# Altium PCB PCB.PcbDoc (part 3 of 4) (continued)
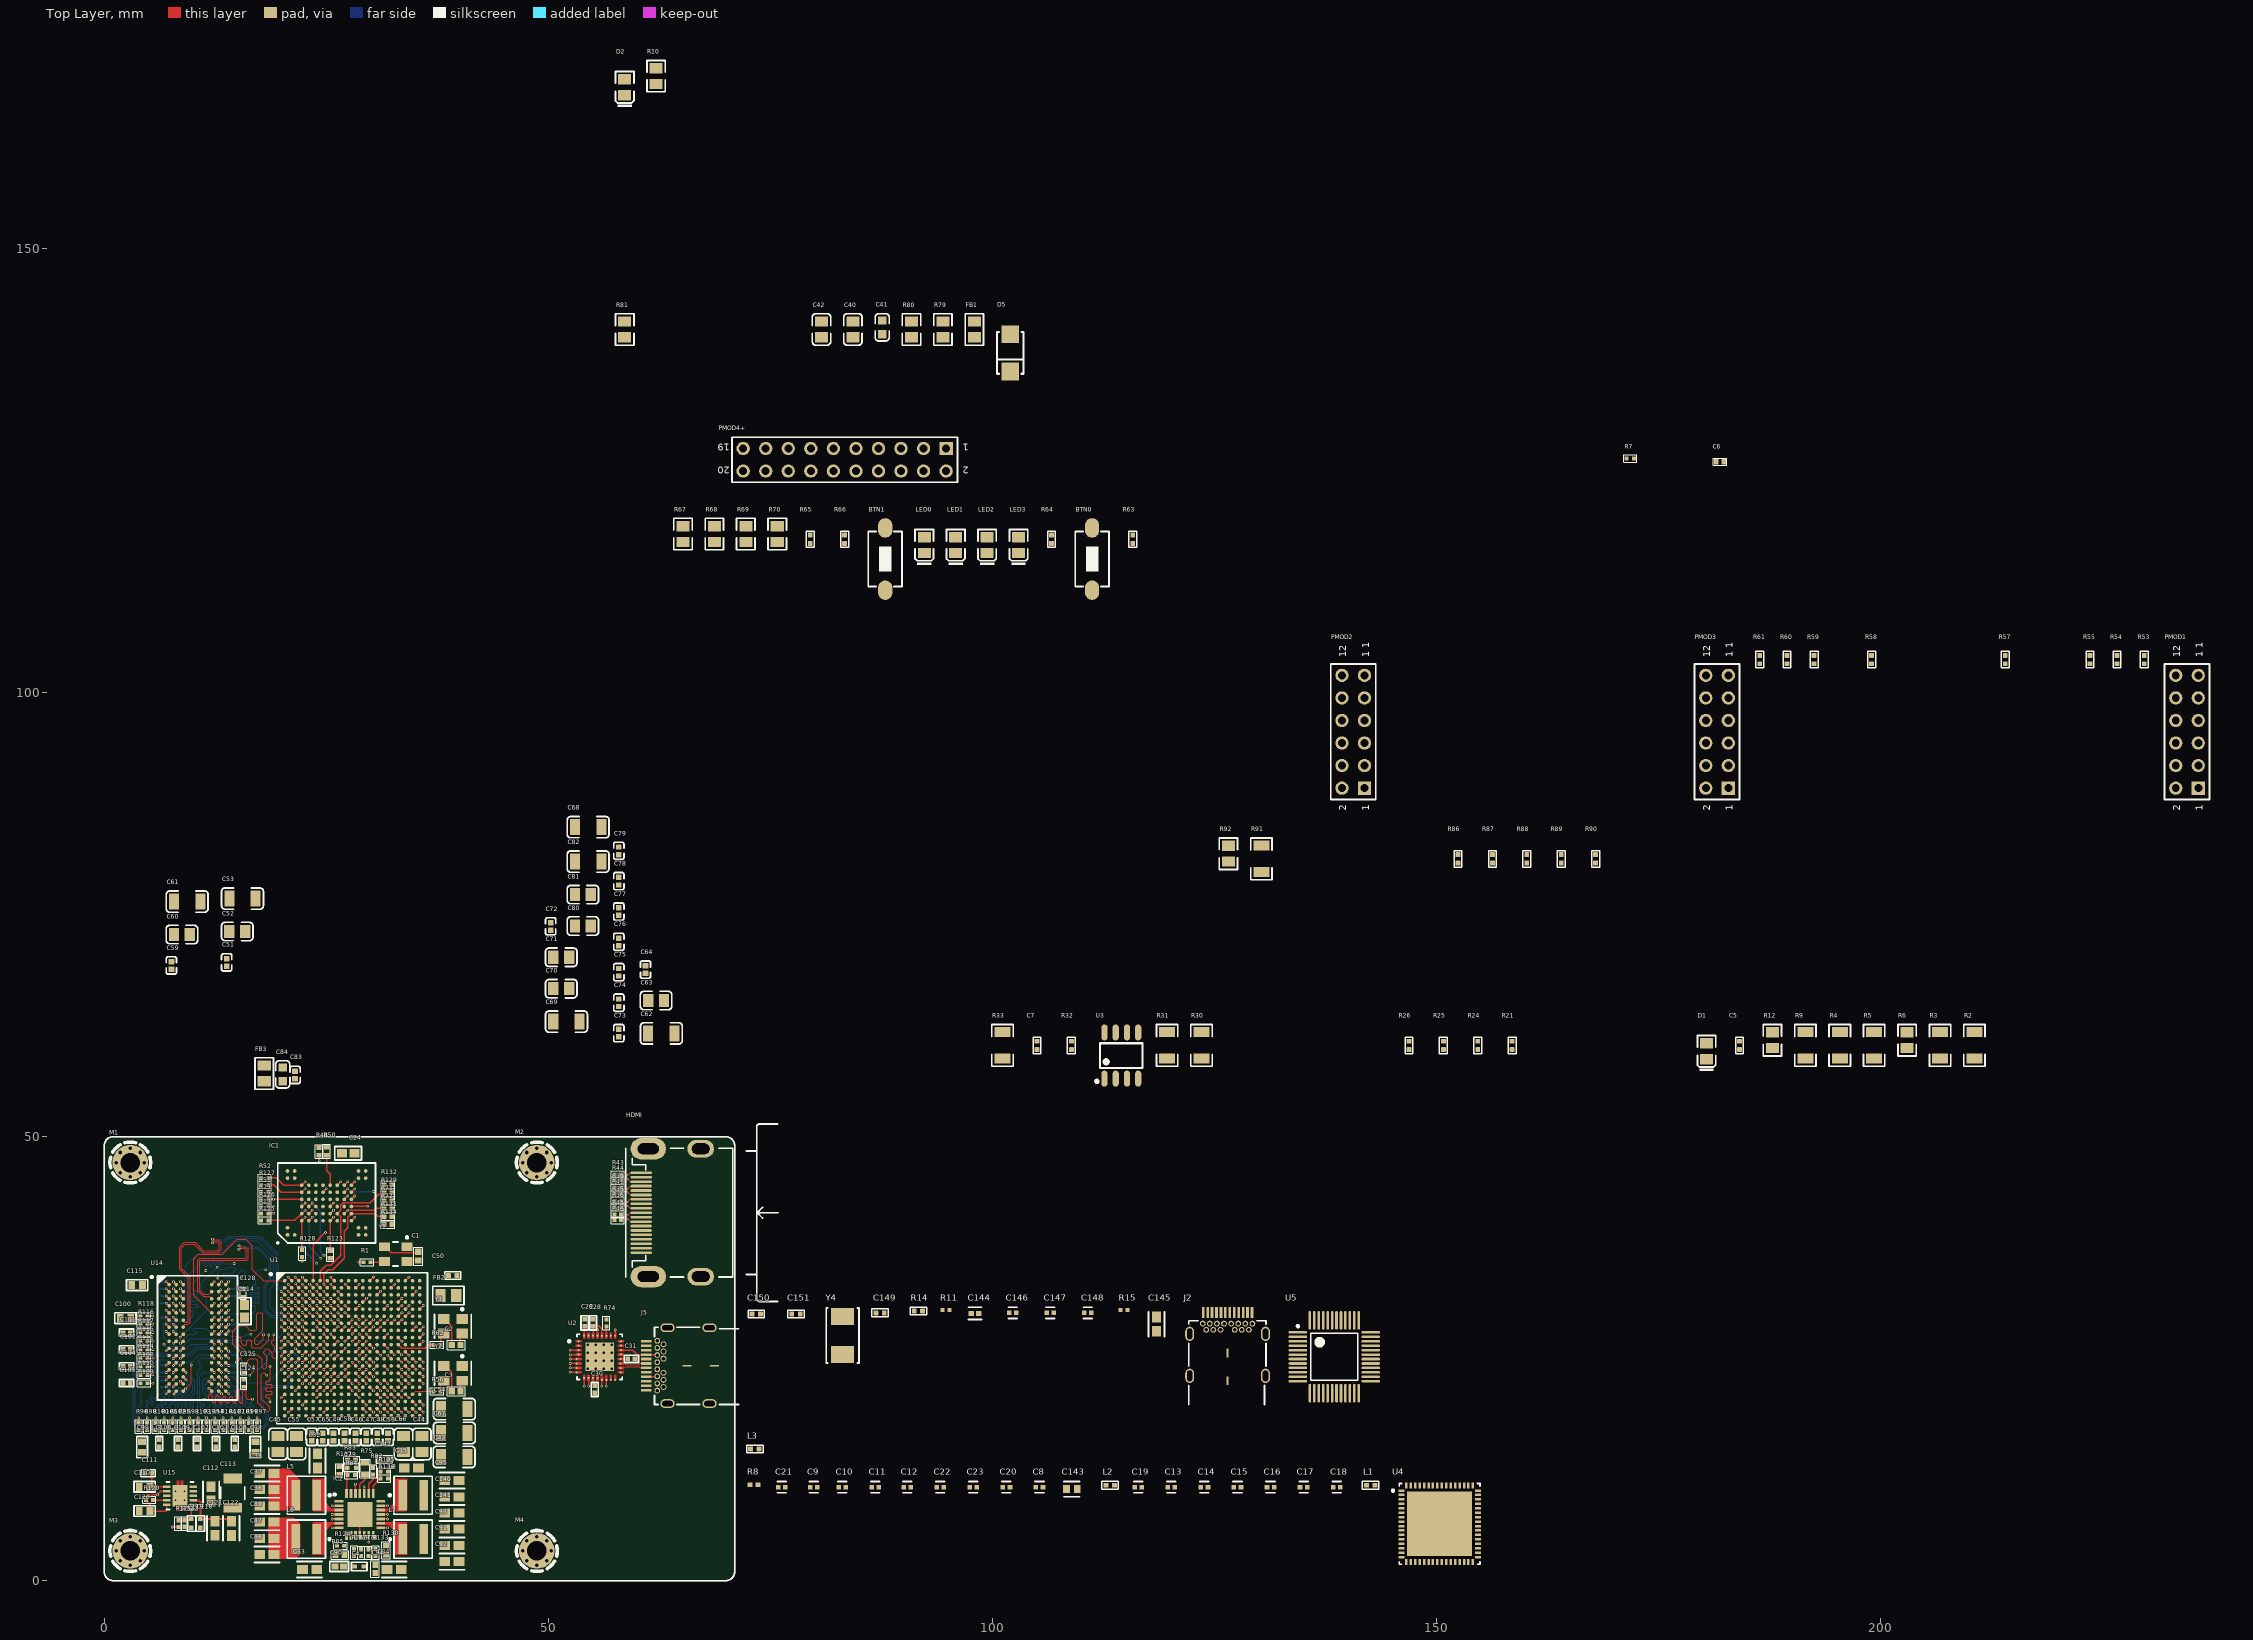
[diagram p0: Top Layer view]
## Nets (pads, with @x,y where several pads share a name; then routed paths per layer and width w, separated by ;. In a path a pad name is that pad's centre, name@x,y a point inside that pad or via, vN(x,y) a via of type N, cw(c..) or ccw(c..) an arc to the next point about the centre after c; other vN are vias at no path point) (continued)
  Top Layer w0.237: v1(8.59,30.458) U14.E3@8.898,30.15
  Int3 (Sign) w0.127: v1(14.63,35.71) 14.97,35.37 16.02,35.37 17.964,33.426 20.144,33.426 20.544,33.026 20.94,33.026 21.247,32.719 21.264,32.719 21.46,32.523 v1(21.485,32.523)
  Bottom Layer w0.127: v1(8.59,30.458) 9.43,31.298 9.43,34.33 10.81,35.71 10.899,35.71 10.963,35.71 ccw(c10.963,35.837) 11.09,35.837 11.09,35.94 cw(c11.217,35.94) 11.344,35.94 11.344,35.501 ccw(c11.471,35.501) 11.598,35.501 11.598,35.94 cw(c11.725,35.94) 11.852,35.94 11.852,35.501 ccw(c11.979,35.501) 12.106,35.501 12.106,35.94 cw(c12.233,35.94) 12.36,35.94 12.36,35.731 ccw(c12.487,35.731) 12.614,35.731 12.614,35.921 cw(c12.741,35.921) 12.868,35.921 12.868,35.731 ccw(c12.995,35.731) 13.122,35.731 13.122,35.837 cw(c13.249,35.837) 13.376,35.837 ccw(c13.503,35.837) 13.503,35.71 14.18,35.71 v1(14.63,35.71)
DDR-0-DQ1: U1.B3 U14.F7 | length 23.2
  Top Layer w0.15: v1(21.574,33.434) 21.603,33.405 21.603,33.297 U1.B3@21.92,32.98
  Top Layer w0.237: U14.F7@12.098,29.35 v1(12.407,29.658)
  Int3 (Sign) w0.127: v1(14.428,29.331) 14.428,30.483 14.428,30.801 cw(c14.555,30.801) 14.555,30.928 14.725,30.928 ccw(c14.725,31.055) 14.725,31.182 14.447,31.182 cw(c14.447,31.309) 14.447,31.436 14.725,31.436 ccw(c14.725,31.563) 14.725,31.69 14.447,31.69 cw(c14.447,31.817) 14.447,31.944 14.725,31.944 ccw(c14.725,32.071) 14.725,32.198 14.438,32.198 cw(c14.438,32.325) 14.438,32.452 14.709,32.452 ccw(c14.709,32.579) 14.709,32.706 14.555,32.706 cw(c14.555,32.833) 14.428,32.833 14.428,33.107 14.428,33.188 14.88,33.64 15.47,33.64 17.7,31.41 20.95,31.41 21.11,31.25 21.11,30.89 21.44,30.561 21.661,30.561 21.874,30.774 21.874,31.063 22.247,31.436 22.447,31.436 22.654,31.643 22.654,32.726 22.44,32.94 22.069,32.94 v1(21.574,33.434)
  Bottom Layer w0.127: v1(12.407,29.658) 12.412,29.658 12.77,29.3 14.16,29.3 14.18,29.319 14.417,29.319 v1(14.428,29.331)
DDR-0-DQ2: U1.A2 U14.F2 | length 24.3
  Top Layer w0.15: v1(20.72,34.18) U1.A2@21.12,33.78
  Top Layer w0.237: v1(7.79,29.658) U14.F2@8.098,29.35
  Int3 (Sign) w0.127: v1(7.79,29.658) 7.343,30.105 7.343,34.633 7.389,34.679 7.606,34.896 cw(c7.696,34.806) 7.822,34.818 7.833,34.695 ccw(c7.96,34.706) 7.971,34.579 ccw(c7.96,34.706) 8.086,34.717 8.05,35.133 cw(c8.176,35.145) 8.165,35.271 cw(c8.176,35.145) 8.303,35.156 8.325,34.902 ccw(c8.452,34.913) 8.463,34.786 ccw(c8.452,34.913) 8.578,34.924 8.556,35.178 cw(c8.682,35.189) 8.671,35.316 cw(c8.682,35.189) 8.809,35.201 8.834,34.914 ccw(c8.96,34.925) 8.972,34.798 ccw(c8.96,34.925) 9.087,34.936 9.062,35.223 cw(c9.188,35.234) 9.177,35.361 cw(c9.188,35.234) 9.315,35.245 9.322,35.166 ccw(c9.448,35.177) 9.448,35.05 9.873,35.05 10.45,35.05 11.24,35.84 13.826,35.84 14.356,36.37 16.04,36.37 18.29,34.12 18.95,34.12 19.47,34.64 20.26,34.64 v1(20.72,34.18)
DDR-0-DQ3: U1.A4 U14.F8 | length 23.2
  Top Layer w0.15: v1(22.32,34.18) U1.A4@22.72,33.78
  Top Layer w0.237: U14.F8@12.898,29.35 12.898,29.356 13.207,29.664 v1(13.207,29.67)
  Int3 (Sign) w0.127: v1(18.19,35.03) 21.47,35.03 v1(22.32,34.18)
  Bottom Layer w0.127: v1(13.207,29.67) 13.577,30.04 16.6,30.04 17.04,30.48 17.04,30.788 17.04,30.851 ccw(c16.913,30.851) 16.913,30.978 16.55,30.978 cw(c16.55,31.105) 16.55,31.232 17.341,31.232 ccw(c17.341,31.359) 17.341,31.486 16.55,31.486 cw(c16.55,31.613) 16.55,31.74 17.341,31.74 ccw(c17.341,31.867) 17.341,31.994 16.55,31.994 cw(c16.55,32.121) 16.55,32.248 17.341,32.248 ccw(c17.341,32.375) 17.341,32.502 16.55,32.502 cw(c16.55,32.629) 16.55,32.756 17.341,32.756 ccw(c17.341,32.883) 17.341,33.01 16.773,33.01 cw(c16.773,33.137) 16.773,33.264 16.913,33.264 ccw(c16.913,33.391) 17.04,33.391 17.04,34.19 17.04,34.61 17.46,35.03 v1(18.19,35.03)
DDR-0-DQ4: U1.D3 U14.H3 | length 23.2
  Top Layer w0.15: v1(21.52,31.78) U1.D3@21.92,31.38
  Top Layer w0.237: v1(8.554,27.429) 8.565,27.429 8.887,27.75 U14.H3@8.898,27.75
  Int3 (Sign) w0.127: v1(12.74,35.29) 13.71,35.29 14.484,36.063 14.92,36.063 15.254,35.73 16.13,35.73 18.1,33.76 20.98,33.76 21.12,33.62 21.12,33.389 21.874,32.635 21.874,32.133 v1(21.52,31.78)
  Bottom Layer w0.127: v1(8.554,27.429) 8.988,27.863 11.56,30.435 11.56,31.73 10.92,32.37 10.92,33.47 v1(12.74,35.29)
DDR-0-DQ5: U1.D1 U14.H8 | length 23.2
  Top Layer w0.15: v1(19.92,31.78) U1.D1@20.32,31.38
  Top Layer w0.237: U14.H8@12.898,27.75 12.898,27.764 13.207,28.072 v1(13.207,28.087)
  Int3 (Sign) w0.127: v1(12.78,34.08) 12.78,33.23 12.854,33.156 12.96,33.156 13.095,33.291 13.23,33.291 13.56,32.961 13.56,29.36 13.668,29.252 14.064,29.252 14.348,28.967 14.348,28.7 14.153,28.505 13.625,28.505 v1(13.207,28.087) ; v1(15.48,34.19) 17.89,31.78 v1(19.92,31.78)
  Bottom Layer w0.127: v1(12.78,34.08) 12.78,34.69 13.14,35.05 13.69,35.05 13.97,35.33 14.609,35.33 14.75,35.189 14.75,34.98 14.41,34.64 13.525,34.64 13.451,34.566 13.451,34.214 13.525,34.14 14.65,34.14 15.516,35.006 15.714,35.006 15.906,34.814 15.906,34.616 v1(15.48,34.19)
DDR-0-DQ6: U1.C1 U14.G2 | length 23.2
  Top Layer w0.15: v1(19.92,32.574) 19.923,32.574 20.317,32.18 U1.C1@20.32,32.18
  Top Layer w0.237: v1(7.79,28.858) U14.G2@8.098,28.55
  Int3 (Sign) w0.127: v1(11.43,34.937) 15.887,34.937 18.244,32.58 19.914,32.58 v1(19.92,32.574)
  Bottom Layer w0.127: v1(7.79,28.858) 7.806,28.858 8.158,29.21 9.38,29.21 10.05,29.88 10.05,30.12 10.05,30.184 ccw(c9.86,30.184) 9.86,30.374 9.765,30.374 cw(c9.765,30.565) 9.765,30.755 10.37,30.755 ccw(c10.37,30.946) 10.37,31.136 9.847,31.136 cw(c9.847,31.327) 9.847,31.517 10.37,31.517 ccw(c10.37,31.708) 10.37,31.898 9.847,31.898 cw(c9.847,32.089) 9.847,32.279 10.37,32.279 ccw(c10.37,32.47) 10.37,32.66 10.241,32.66 cw(c10.241,32.851) 10.05,32.851 10.05,33.372 10.05,33.557 v1(11.43,34.937)
DDR-0-DQ7: U1.E1 U14.H7 | length 24.2
  Top Layer w0.15: v1(19.92,30.98) U1.E1@20.32,30.58
  Top Layer w0.237: U14.H7@12.098,27.75 12.098,27.764 12.407,28.073 v1(12.407,28.087)
  Int3 (Sign) w0.127: v1(12.407,28.087) 12.407,27.823 12.613,27.617 14.253,27.617 14.733,28.097 14.733,28.593 14.932,28.792 14.932,29.456 15.081,29.606 cw(c15.171,29.516) 15.261,29.606 15.272,29.595 ccw(c15.361,29.685) 15.451,29.595 ccw(c15.361,29.685) 15.451,29.775 15.008,30.218 cw(c15.097,30.308) 15.008,30.398 cw(c15.097,30.308) 15.187,30.398 15.925,29.66 ccw(c16.015,29.75) 16.105,29.66 ccw(c16.015,29.75) 16.105,29.839 15.367,30.578 cw(c15.457,30.667) 15.367,30.757 cw(c15.457,30.667) 15.546,30.757 16.285,30.019 ccw(c16.374,30.109) 16.464,30.019 ccw(c16.374,30.109) 16.464,30.199 16.159,30.504 cw(c16.249,30.594) 16.159,30.683 16.204,30.728 16.45,30.975 16.45,31.31 15.943,31.817 15.943,31.923 16.25,32.23 16.42,32.23 16.879,31.771 16.879,30.791 17.14,30.53 19.44,30.53 19.53,30.62 19.53,30.726 19.456,30.8 17.304,30.8 17.23,30.874 17.23,31.03 17.32,31.12 19.759,31.12 19.899,30.98 v1(19.92,30.98)
DDR-0-DQ8: U1.E2 U14.D7 | length 24.2
  Top Layer w0.15: v1(20.72,30.98) U1.E2@21.12,30.58
  Top Layer w0.237: U14.D7@12.098,30.95 v1(12.407,31.258)
  Int3 (Sign) w0.127: v1(12.407,31.258) 12.412,31.258 12.79,30.88 12.79,30.21 12.592,30.012 12.202,30.012 12.074,30.14 11.79,30.14 11.561,29.911 11.561,29.629 11.885,29.305 12.719,29.305 12.84,29.184 12.84,28.561 12.719,28.44 12.07,28.44 11.74,28.11 11.74,27.431 11.861,27.31 14.33,27.31 16.83,29.81 ; 16.822,29.81 17.085,29.81 ccw(c17.085,29.937) 17.212,29.937 17.212,29.961 cw(c17.339,29.961) 17.466,29.961 17.466,29.634 ccw(c17.593,29.634) 17.72,29.634 17.72,30.081 cw(c17.847,30.081) 17.974,30.081 17.974,29.634 ccw(c18.101,29.634) 18.228,29.634 18.228,30.081 cw(c18.355,30.081) 18.482,30.081 18.482,29.634 ccw(c18.609,29.634) 18.736,29.634 18.736,30.081 cw(c18.863,30.081) 18.99,30.081 18.99,29.634 ccw(c19.117,29.634) 19.244,29.634 19.244,29.683 cw(c19.371,29.683) 19.371,29.81 19.435,29.81 21.029,29.81 21.15,29.931 21.15,30.416 20.738,30.828 20.738,30.962 v1(20.72,30.98)
DDR-0-DQ9: U1.E3 U14.C3 | length 24.2
  Top Layer w0.15: v1(21.52,30.98) U1.E3@21.92,30.58
  Top Layer w0.237: v1(8.59,32.058) U14.C3@8.898,31.75
  Int3 (Sign) w0.127: v1(8.59,32.058) 8.18,32.468 8.18,34.26 8.48,34.56 8.954,34.56 9.336,34.56 cw(c9.336,34.433) 9.463,34.434 9.464,34.306 ccw(c9.591,34.307) 9.592,34.18 ccw(c9.591,34.307) 9.718,34.308 9.716,34.568 cw(c9.843,34.569) 9.842,34.696 cw(c9.843,34.569) 9.97,34.57 9.972,34.311 ccw(c10.099,34.312) 10.1,34.185 ccw(c10.099,34.312) 10.226,34.313 10.224,34.573 cw(c10.351,34.574) 10.35,34.701 cw(c10.351,34.574) 10.478,34.575 10.48,34.315 ccw(c10.607,34.316) 10.608,34.189 ccw(c10.607,34.316) 10.734,34.317 10.732,34.577 cw(c10.859,34.578) 10.858,34.705 cw(c10.859,34.578) 10.986,34.579 10.988,34.32 ccw(c11.115,34.321) 11.116,34.194 ccw(c11.115,34.321) 11.242,34.322 11.241,34.494 cw(c11.368,34.495) 11.367,34.622 cw(c11.368,34.495) 11.495,34.496 11.496,34.324 ccw(c11.623,34.325) 11.624,34.198 ccw(c11.623,34.325) 11.75,34.326 11.749,34.432 cw(c11.876,34.433) 11.876,34.56 12.318,34.56 13.146,34.56 13.45,34.56 cw(c13.45,34.433) 13.576,34.417 13.574,34.4 ccw(c13.7,34.384) 13.685,34.258 ccw(c13.7,34.384) 13.826,34.369 13.853,34.584 cw(c13.979,34.568) 13.995,34.694 cw(c13.979,34.568) 14.105,34.552 14.078,34.337 ccw(c14.204,34.322) 14.189,34.196 ccw(c14.204,34.322) 14.33,34.306 14.362,34.562 cw(c14.488,34.547) 14.504,34.673 cw(c14.488,34.547) 14.614,34.531 14.583,34.275 ccw(c14.709,34.259) 14.693,34.133 ccw(c14.709,34.259) 14.835,34.243 14.86,34.449 cw(c14.986,34.433) 14.986,34.56 15.248,34.56 15.83,34.56 18.246,32.144 20.882,32.144 21.09,31.936 21.09,31.71 21.52,31.28 v1(21.52,30.98)
DDR-0-DQ10: U1.G3 U14.C8 | length 24.2
  Top Layer w0.15: v1(21.52,29.365) 21.528,29.365 21.913,28.98 U1.G3@21.92,28.98
  Top Layer w0.237: U14.C8@12.898,31.75 v1(13.207,32.058)
  Int3 (Sign) w0.127: v1(13.207,32.058) 12.778,31.63 11.973,31.63 11.852,31.751 11.852,32.052 11.731,32.173 11.553,32.173 11.42,32.04 11.42,30.444 11.346,30.37 10.974,30.37 10.9,30.444 10.9,31.969 10.779,32.09 10.51,32.09 10.38,31.96 10.38,30.279 11.369,29.29 11.369,27.121 11.49,27 14.576,27 16.499,28.923 18.168,28.923 18.178,28.933 20.853,28.933 21.285,29.365 v1(21.52,29.365)
DDR-0-DQ11: U1.H3 U14.C2 | length 23.2
  Top Layer w0.15: v1(21.52,28.58) U1.H3@21.92,28.18
  Top Layer w0.237: v1(7.79,32.058) U14.C2@8.098,31.75
  Int3 (Sign) w0.127: v1(16.5,27.74) 16.889,28.129 17.061,28.129 17.299,27.891 17.471,27.891 17.76,28.18 19.09,28.18 19.48,27.79 20.131,27.79 20.531,28.19 21.13,28.19 v1(21.52,28.58)
  Bottom Layer w0.127: v1(7.79,32.058) 8.18,31.668 8.18,29.56 7.865,29.245 7.655,29.245 7.42,29.01 7.42,28.59 7.536,28.474 7.814,28.474 8.1,28.188 8.1,27.321 8.341,27.08 8.85,27.08 9.53,27.76 10.346,27.76 10.42,27.834 10.42,27.986 10.346,28.06 10.114,28.06 10.04,28.134 10.04,28.356 10.114,28.43 11.44,28.43 12.123,27.747 13.993,27.747 14.22,27.52 15.83,27.52 16.04,27.73 16.04,27.74 v1(16.5,27.74)
DDR-0-DQ12: U1.J3 U14.A7 | length 24.2
  Top Layer w0.15: v1(21.52,27.78) U1.J3@21.92,27.38
  Top Layer w0.237: U14.A7@12.098,33.35 v1(12.407,33.658)
  Int3 (Sign) w0.127: v1(12.407,33.658) 11.62,33.658 11.136,33.658 ccw(c11.136,33.531) 11.009,33.531 11.009,33.322 cw(c10.882,33.322) 10.755,33.322 10.755,33.531 ccw(c10.628,33.531) 10.628,33.658 10.31,33.658 9.94,33.658 9.568,33.287 9.568,29.582 10.22,28.93 10.22,26.99 11.26,25.95 11.7,25.95 12.18,25.47 14.13,25.47 15.97,27.31 21.05,27.31 v1(21.52,27.78)
DDR-0-DQ13: U1.H2 U14.A2 | length 23.2
  Top Layer w0.15: v1(20.75,28.55) U1.H2@21.12,28.18
  Top Layer w0.237: v1(7.793,33.658) 7.793,33.657 U14.A2@8.098,33.35 U14.A2@8.098,33.35
  Bottom Layer w0.127: v1(7.793,33.658) 7.459,33.324 7.459,29.675 7.129,29.345 7.042,29.345 6.686,28.988 6.686,27.343 7.615,26.414 8.241,26.414 8.244,26.41 8.87,26.41 9.69,27.23 13.849,27.23 13.98,27.099 19.299,27.099 v1(20.75,28.55)
DDR-0-DQ14: U1.H1 U14.B8 | length 24.2
  Top Layer w0.15: v1(19.92,28.58) U1.H1@20.32,28.18
  Top Layer w0.237: U14.B8@12.898,32.55 v1(13.113,32.764)
  Int3 (Sign) w0.127: v1(13.113,32.764) 13.088,32.764 12.803,32.48 10.061,32.48 9.94,32.359 9.94,30.07 10.102,29.908 10.545,29.465 ccw(c10.635,29.554) 10.635,29.427 10.703,29.427 cw(c10.703,29.3) 10.703,29.173 10.574,29.173 ccw(c10.574,29.046) 10.574,28.919 11.015,28.919 cw(c11.015,28.792) 11.015,28.665 10.574,28.665 ccw(c10.574,28.538) 10.574,28.411 11.015,28.411 cw(c11.015,28.284) 11.015,28.157 10.574,28.157 ccw(c10.574,28.03) 10.574,27.903 11.015,27.903 cw(c11.015,27.776) 11.015,27.649 10.707,27.649 ccw(c10.707,27.522) 10.58,27.522 10.58,27.24 10.615,27.205 11.58,26.24 14.25,26.24 16.59,28.58 v1(19.92,28.58)
DDR-0-DQ15: U1.J1 U14.A3 | length 24.2
  Top Layer w0.15: v1(19.92,26.957) 19.92,26.968 20.32,27.368 U1.J1@20.32,27.38
  Top Layer w0.237: v1(8.59,33.658) U14.A3@8.898,33.35
  Int3 (Sign) w0.127: v1(8.59,33.658) 9.262,32.987 9.262,29.302 9.262,29.238 ccw(c9.389,29.238) 9.389,29.111 9.591,29.111 cw(c9.591,28.984) 9.591,28.857 9.199,28.857 ccw(c9.199,28.73) 9.199,28.603 9.866,28.603 cw(c9.866,28.476) 9.866,28.349 9.199,28.349 ccw(c9.199,28.222) 9.199,28.095 9.724,28.095 cw(c9.724,27.968) 9.724,27.841 9.389,27.841 ccw(c9.389,27.714) 9.262,27.714 9.262,27.023 9.262,26.999 11.551,24.709 14.139,24.709 16.387,26.957 v1(19.92,26.957)
DDR-0-LDM: U1.A1 U14.E7 | length 21.6
  Top Layer w0.127: U14.E7@12.098,30.15 12.07,30.15 10.08,32.14 10.08,36.21 10.611,36.741 13.301,36.741 15,38.44 15.96,38.44 16.69,37.71 16.69,35.03 17.94,33.78 U1.A1@20.32,33.78
DDR-0-LDQS_N: U1.B2 U14.G3 | length 30.8
  Top Layer w0.092: U14.G3@8.889,28.55 8.957,28.618 8.957,28.743 9.085,28.871 9.487,28.871 9.669,29.053 9.669,34.211 8.7,35.18 8.7,37.45 9.12,37.87 10.16,37.87 11.079,36.951 12.841,36.951 13.15,37.26 13.15,38 12.781,38.369 12.29,38.369 v1(12.2,38.46)
  Top Layer w0.15: v1(20.72,33.38) U1.B2@21.12,32.98
  Bottom Layer w0.092: v1(12.2,38.46) 12.256,38.46 12.347,38.369 13.529,38.369 13.939,38.779 17.621,38.779 19.589,36.811 19.589,33.144 19.643,33.09 20.43,33.09 v1(20.72,33.38)
DDR-0-LDQS_P: U1.C2 U14.F3 | length 30
  Top Layer w0.092: U14.F3@8.898,29.35 8.945,29.304 8.945,29.225 9.08,29.09 9.396,29.09 9.45,29.144 9.45,34.12 8.481,35.089 8.481,37.541 9.029,38.089 10.251,38.089 11.17,37.17 12.75,37.17 12.931,37.351 12.931,37.909 12.69,38.15 12.29,38.15 v1(12.2,38.06)
  Top Layer w0.15: v1(20.72,32.58) U1.C2@21.12,32.18
  Bottom Layer w0.092: v1(12.2,38.06) 12.256,38.06 12.347,38.15 13.62,38.15 14.03,38.56 17.53,38.56 19.37,36.72 19.37,33.053 19.553,32.87 20.43,32.87 v1(20.72,32.58)
DDR-0-ODT: R117.2 U1.N5 U14.K1 | length 22.9
  Top Layer w0.127: R117.2@4.875,27.946 v1(5.449,27.946)
  Top Layer w0.15: v1(23.115,23.785) 23.12,23.785 23.515,24.18 U1.N5@23.52,24.18
  Top Layer w0.237: v1(6.997,25.873) 7.009,25.873 7.286,26.15 U14.K1@7.298,26.15
  Int3 (Sign) w0.127: v1(5.449,27.946) 6.19,27.205 6.19,26.653 6.97,25.873 v1(6.997,25.873) ; v1@6.99,25.853 7.335,26.198 9.162,26.198 11.612,23.748 14.972,23.748 16.27,22.45 20.93,22.45 21.064,22.584 22.402,22.584 22.7,22.881 22.7,23.37 v1(23.115,23.785)
DDR-0-RAS: R116.2 U1.P4 U14.J3 | length 26.1
  Top Layer w0.127: R116.2@4.875,28.898 v1(5.449,28.898)
  Top Layer w0.15: v1(22.32,22.98) U1.P4@22.72,23.38
  Top Layer w0.237: v1(8.59,26.724) 8.602,26.736 8.64,26.736 8.854,26.95 U14.J3@8.898,26.95
  Int2 (Sign) w0.127: v1(6.73,26.61) 7,26.34 8.206,26.34 v1(8.59,26.724) ; 11.57,25.637 11.573,25.64
  Int3 (Sign) w0.127: v1(5.449,28.898) 6.216,28.131 6.216,27.734 6.69,27.26 8,27.26 8.449,26.81 8.457,26.81 8.543,26.724 v1(8.59,26.724) ; v1(16.347,25.778) v1(16.347,25.778) 17.88,25.78 19.04,24.62 19.04,23.94 19.63,23.35 21.95,23.35 v1(22.32,22.98)
  Bottom Layer w0.127: v1(6.73,26.61) 7.153,26.187 7.92,26.187 7.923,26.183 9.363,26.183 9.83,26.65 11.603,26.65 11.943,26.99 13.64,26.99 13.85,26.78 14.62,26.78 15.622,25.778 v1(16.347,25.778)
DDR-0-RESET: R112.2 U1.B4 U14.T2 | length 38.5
  Top Layer w0.15: v1(22.313,33.393) 22.313,33.39 22.72,32.983 U1.B4@22.72,32.98
  Top Layer w0.237: v1(7.85,21.03) 7.862,21.042 7.862,21.069 8.098,21.306 U14.T2@8.098,21.35
  Int3 (Sign) w0.15: v1(7.85,21.03) 7.39,20.57 5.54,20.57 4.78,21.33 4.78,33.78 7.79,36.79 16.69,36.79 17.99,35.49 21.75,35.49 22.81,34.43 22.81,33.89 v1(22.313,33.393)
DDR-0-UDM: U1.F1 U14.D3 | length 24.6
  Top Layer w0.15: v1(19.92,30.18) U1.F1@20.32,29.78
  Top Layer w0.237: v1(8.59,31.258) U14.D3@8.898,30.95
  Bottom Layer w0.127: v1(8.59,31.258) 9.12,31.788 9.12,35.44 10.525,36.845 13.095,36.845 14.52,38.27 17.26,38.27 19.08,36.45 19.08,33.3 18.68,32.9 18.68,30.74 19.24,30.18 v1(19.92,30.18)
DDR-0-UDQS_N: U1.F2 U14.B7 | length 26.4
  Top Layer w0.092: U14.B7@12.098,32.55 12.052,32.504 12.052,32.502 11.79,32.24 11.259,32.24 10.769,32.729 10.769,36.035 10.823,36.089 16.047,36.089 16.229,36.272 16.229,37.291 15.891,37.629 15.27,37.629 v1(15.18,37.72)
  Top Layer w0.15: v1(20.72,30.18) U1.F2@21.12,29.78
  Bottom Layer w0.092: v1(15.18,37.72) 15.27,37.629 17.351,37.629 18.78,36.2 18.78,33.81 18.23,33.26 18.23,30.48 18.82,29.89 20.43,29.89 v1(20.72,30.18)
DDR-0-UDQS_P: U1.G2 U14.C7 | length 26.4
  Top Layer w0.092: U14.C7@12.098,31.75 11.828,32.021 11.168,32.021 10.55,32.638 10.55,36.126 10.733,36.309 15.956,36.309 16.01,36.363 16.01,37.2 15.8,37.41 15.27,37.41 v1(15.18,37.32)
  Top Layer w0.15: v1(20.72,29.38) U1.G2@21.12,28.98
  Bottom Layer w0.092: v1(15.18,37.32) 15.27,37.41 17.26,37.41 18.561,36.109 18.561,33.901 18.011,33.351 18.011,30.389 18.73,29.67 20.43,29.67 v1(20.72,29.38)
DDR-0-WE: R114.2 U1.M5 U14.L3 | length 26.1
  Top Layer w0.127: R114.2@4.875,25.089 4.93,25.034 v1(5.503,25.034)
  Top Layer w0.15: v1(23.12,24.58) U1.M5@23.52,24.98
  Top Layer w0.237: v1(8.589,25.034) 8.589,25.037 8.898,25.347 U14.L3@8.898,25.35
  Int3 (Sign) w0.127: v1(5.503,25.034) 5.536,25.067 5.792,25.067 5.814,25.089 5.941,25.089 6.399,24.63 8.185,24.63 v1(8.589,25.034) 10.491,23.131 10.491,21.889 11.035,21.345 12.27,21.345 12.425,21.5 20.38,21.5 20.89,20.99 22.96,20.99 23.575,21.605 23.575,24.125 v1(23.12,24.58)
DDRVTT: C98.1 C99.1 C100.1 C101.1 C102.1 C103.1 C104.1 C105.1 C106.1 C107.1 C108.1 C109.1 C112.1 C113.1 R93.1 R94.1 R95.1 R96.1 R97.1 R98.1 R99.1 R100.1 R101.1 R102.1 R103.1 R104.1 R105.1 R106.1 R107.1 R108.1 R109.1 R110.1 R111.1 R114.1 R115.1 R116.1 R117.1 R118.1 U15.3 U15.5
DET: R8.1 U4.11
EN1: IC2.1 R137.1
ETH_CS: U1.R14 | length 0.6
  Top Layer w0.15: U1.R14@30.73,22.57 v1(31.13,22.17)
ETH_INT: U1.L19
ETH_MISO: U1.R16
ETH_MOSI: U1.V18
ETH_RST: U1.T17
ETH_SCLK: U1.L20
GND: C1.1 C2.1 C3.1 C4.2 C6.1 C7.1 C8.2 C9.2 C10.2 C11.2 C12.2 C13.2 C14.2 C15.2 C16.2 C17.2 C18.2 C19.2 C20.2 C21.2 C22.2 C23.2 C24.2 C25.2 C26.2 C27.2 C28.2 C29.2 C30.1 C31.1 C32.2 C33.2 C34.2 C35.2 C36.2 C37.2 C38.2 C40.2 C41.1 C42.2 C43.2 C44.2 C45.2 C46.2 C47.2 C48.2 C49.2 C51.1 C52.1 C53.1 C54.2 C55.2 C56.2 C57.2 C58.2 C59.1 C60.1 C61.1 C62.2 C63.2 C64.2 C65.1 C66.1 C67.1 C68.1 C69.2 C70.2 C71.2 C72.2 C73.2 C74.2 C75.2 C76.2 C77.2 C78.2 C79.2 C80.2 C81.2 C82.2 C83.1 C84.1 C85.2 C86.2 C87.2 C88.2 C89.2 C91.2 C92.2 C93.2 C95.2 C97.2 C98.2 C99.2 C100.2 C101.2 C102.2 C103.2 C104.2 C105.2 C106.2 C107.2 C108.2 C109.2 C110.2 C111.2 C112.2 C113.2 C114.2 C115.2 C116.2 C117.2 C118.2 C119.2 C120.2 C121.2 C122.2 C123.2 C124.2 C125.2 C126.2 C127.2 C128.2 C129.2 C130.2 C131.2 C132.2 C133.2 C134.2 C135.2 C136.2 C137.2 C138.2 C139.2 C140.2 C141.2 C143.2 C144.1 C145.2 C146.1 C147.1 C148.1 C149.1 C150.2 C151.2 D1.K D2.K FB2.1 HDMI.2 HDMI.5 HDMI.8 HDMI.11 HDMI.17 IC1.C5 IC1.F7 IC2.4 IC2.5 IC2.11 IC2.17 IC2.18 IC2.24 IC2.29 J1.G1 J1.G2 J1.P6 J2.A1 J2.A12 J2.B1 J2.B12 J2.G1 J2.G2 J5.A1 J5.A12 J5.B1 J5.B12 J5.G1 J5.G2 PMOD4+.17 PMOD4+.18 R4.2 R7.1 R11.1 R15.1 R50.1 R65.1 R66.1 R67.1 R68.1 R69.1 R70.1 R72.1 R73.1 R75.1 R80.2 R81.2 R84.1 R112.1 R113.1 R122.2 R123.1 R124.1 R132.1 R133.1 R134.1 R136.1 U1.A8 U1.A18 U1.B1 U1.B11 U1.C4 U1.C9 U1.C14 U1.D17 U1.E10 U1.E20 U1.F3 U1.F7 U1.F10 U1.F11 U1.G10 U1.G12 U1.G16 U1.H7 U1.H9 U1.H11 U1.H13 U1.H19 U1.J2 U1.J8 U1.J12 U1.K5 U1.K7 U1.K9 U1.K11 U1.K13 U1.K15 U1.L8 U1.L10 U1.L12 U1.L18 U1.M1 U1.M7 U1.M9 U1.M10 U1.M11 U1.M13 U1.N4 U1.N8 U1.N10 U1.N12 U1.N14 U1.P7 U1.P9 U1.P11 U1.P13 U1.P17 U1.R8 U1.R12 U1.R20 U1.T3 U1.T7 U1.T13 U1.U6 U1.U16 U1.V9 U1.V19 U1.W2 U1.W12 U1.Y5 U1.Y15 U2.8 U2.14 U2.33 U3.3 U4.65 U5.4 U5.9 U5.10 U5.11 U5.22 U5.23 U5.35 U5.36 U5.41 U5.42 U5.47 U5.48 U14.A9 U14.B1 U14.B3 U14.B9 U14.D1 U14.D8 U14.E1 U14.E2 U14.E8 U14.F9 U14.G1 U14.G8 U14.G9 U14.J2 U14.J8 U14.M1 U14.M9 U14.P1 U14.P9 U14.T1 U14.T9 U15.4 U15.8 U15.11 Y1.2 Y2.2 Y3.2 | length 67.5
  Top Layer w0.15: v1(19.943,24.535) 19.943,24.569 20.32,24.946 U1.M1@20.32,24.98 ; v1(20.72,18.98) U1.W2@21.12,19.38 ; v1(20.72,27.78) U1.J2@21.12,27.38 ; v1(21.52,21.38) U1.T3@21.92,21.78 ; v1(21.52,30.18) U1.F3@21.92,29.78 ; IC1.C5@22.24,42.135 IC1.C5@22.24,42.14 22.62,42.52 v1(22.62,42.525) ; v1(22.3,32.58) 22.31,32.58 22.71,32.18 U1.C4@22.72,32.18 ; v1(22.32,23.78) U1.N4@22.72,24.18 ; v1(23.12,18.18) U1.Y5@23.52,18.58 ; v1(23.12,26.98) U1.K5@23.52,26.58 ; v1(23.92,20.58) U1.U6@24.32,20.98 ; IC1.F7@24.64,43.735 IC1.F7@24.64,43.74 25.02,44.12 v1(25.02,44.125) ; v1(24.71,22.97) U1.P7@25.11,23.37 ; v1(24.72,21.38) U1.T7@25.12,21.78 ; v1(24.72,24.58) U1.M7@25.12,24.98 ; v1(24.72,26.98) U1.K7@25.12,26.58 ; v1(24.72,28.58) U1.H7@25.12,28.18 ; v1(24.72,30.18) U1.F7@25.12,29.78 ; v1(25.52,22.18) U1.R8@25.92,22.58 ; v1(25.52,23.78) U1.N8@25.92,24.18 ; v1(25.52,25.38) U1.L8@25.92,25.78 ; v1(25.52,27.78) U1.J8@25.92,27.38 ; v1(25.52,34.18) U1.A8@25.92,33.78 ; v1(25.67,6.95) IC2.5@26.44,6.95 ; v1(25.67,7.45) IC2.4@26.44,7.45 ; v1(26.32,19.78) U1.V9@26.72,20.18 ; v1(26.32,22.98) U1.P9@26.72,23.38 ; v1(26.32,32.58) U1.C9@26.72,32.18 ; U1.H9@26.72,28.18 v1(27.12,28.58) ; v1(27.12,23.78) U1.N10@27.52,24.18 ; v1(27.12,30.18) U1.F10@27.52,29.78 ; v1(27.12,30.98) U1.E10@27.52,30.58 ; U1.G10@27.52,28.98 v1(27.92,29.38) ; v1(27.92,27.78) U1.H11@28.32,28.18 ; U1.P11@28.32,23.38 v1(28.72,22.98) ; U1.M11@28.32,24.98 v1(28.72,24.58) ; U1.K11@28.32,26.58 v1(28.72,26.98) ; U1.F11@28.32,29.78 v1(28.72,29.38) ; U1.B11@28.32,32.98 v1(28.72,33.38) ; v1(28.72,23.78) U1.N12@29.12,24.18 ; v1(28.72,25.38) U1.L12@29.12,25.78 ; v1(28.72,27.78) U1.J12@29.12,27.38 ; IC2.11@28.79,5.1 IC2.29@28.79,7.45 ; U1.W12@29.12,19.38 v1(29.52,18.98) ; U1.R12@29.12,22.58 v1(29.52,22.18) ; U1.G12@29.12,28.98 v1(29.52,29.38) ; IC2.24@29.29,9.8 v1(29.29,10.57) ; U1.T13@29.92,21.78 v1(30.32,21.38) ; U1.P13@29.92,23.38 v1(30.32,22.98) ; U1.M13@29.92,24.98 v1(30.32,24.58) ; U1.K13@29.92,26.58 v1(30.32,26.18) ; U1.H13@29.92,28.18 v1(30.32,28.58) ; v1(30.32,23.78) U1.N14@30.72,24.18 ; U1.C14@30.72,32.18 v1(31.12,32.58) ; IC2.17@31.14,6.95 v1(31.91,6.95) ; IC2.18@31.14,7.45 v1(31.91,7.45) ; U1.Y15@31.52,18.58 v1(31.92,18.18) ; U1.K15@31.52,26.58 v1(31.92,26.18) ; Y1.2@31.56,37.61 31.66,37.61 32.335,36.935 35.245,36.935 C1.1@35.37,37.06 ; U1.U16@32.32,20.98 v1(32.72,20.58) ; U1.G16@32.32,28.98 v1(32.72,29.38) ; U1.P17@33.12,23.38 v1(33.52,22.98) ; U1.D17@33.12,31.38 v1(33.52,31.78) ; U1.L18@33.92,25.78 v1(34.32,25.38) ; U1.A18@33.92,33.78 v1(34.32,34.18) ; U1.V19@34.72,20.18 v1(35.12,19.78) ; U1.H19@34.72,28.18 v1(35.12,28.58) ; U1.R20@35.52,22.58 v1(35.91,22.19) ; U1.E20@35.52,30.58 v1(35.92,30.98) ; Y3.2@38.22,29.475 38.32,29.475 39.12,28.675 C2.1@39.12,26.54 ; Y2.2@38.34,24.17 38.44,24.17 39.12,23.49 C3.1@39.12,21.33 ; v1(52.48,23.46) 53.43,23.46 ; v1(56.55,21.89) 56.55,22.84
  Top Layer w0.237: v1(6.99,21.042) U14.T1@7.298,21.35 ; v1(6.99,22.642) U14.P1@7.298,22.95 ; v1(6.99,24.242) U14.M1@7.298,24.55 ; v1(6.99,30.458) U14.E1@7.298,30.15 ; v1(6.99,31.258) U14.D1@7.298,30.95 ; v1(6.99,32.858) U14.B1@7.298,32.55 ; v1(6.999,28.858) 6.999,28.854 7.298,28.555 U14.G1@7.298,28.55 ; v1(7.79,30.458) U14.E2@8.098,30.15 ; v1(7.81,26.727) 7.822,26.74 7.844,26.74 8.054,26.95 U14.J2@8.098,26.95 ; v1(8.59,32.858) U14.B3@8.898,32.55 ; U14.J8@12.898,26.95 v1(13.207,26.642) ; U14.G8@12.898,28.55 v1(13.207,28.858) ; U14.E8@12.898,30.15 v1(13.207,30.458) ; U14.D8@12.898,30.95 v1(13.207,31.258) ; U14.T9@13.698,21.35 v1(14.007,21.042) ; U14.P9@13.698,22.95 U14.P9@13.698,22.95 14.007,22.644 v1(14.008,22.644) ; U14.M9@13.698,24.55 v1(14.008,24.24) ; U14.G9@13.698,28.55 13.698,28.556 13.995,28.852 v1(13.995,28.858) ; U14.F9@13.698,29.35 13.698,29.356 14.007,29.664 v1(14.007,29.67) ; U14.B9@13.698,32.55 v1(14,32.85) ; U14.A9@13.698,33.35 v1(14,33.65)
  Bottom Layer w0.237: C129.2@6.37,31.24 6.379,31.249 6.981,31.249 v1(6.99,31.258) ; C117.2@6.38,32.87 6.386,32.864 6.984,32.864 v1(6.99,32.858) ; C134.2@6.391,24.241 v1@6.989,24.241 ; C127.2@6.4,22.56 6.891,22.56 6.973,22.642 v1(6.99,22.642) ; v1(13.995,28.858) 14.006,28.869 14.649,28.869 C135.2@14.66,28.88 ; v1(14,32.85) 14.012,32.862 14.632,32.862 C132.2@14.66,32.89 ; v1(14.008,24.24) 14.02,24.228 14.632,24.228 C116.2@14.66,24.2
  other v3: 54.45,23.86 55.35,23.86 56.25,23.86 57.15,23.86 54.45,24.76 55.35,24.76 56.25,24.76 57.15,24.76 54.45,25.66 55.35,25.66 56.25,25.66 57.15,25.66 54.45,26.56 55.35,26.56 56.25,26.56 57.15,26.56
  other v4: 8.03,9.06 9.03,9.06 8.03,10.06 9.03,10.06
GNDADC: C50.2 FB2.2 U1.J10 | length 0.6
  Top Layer w0.15: v1(27.11,26.97) U1.J10@27.51,27.37
HDMI_5V: C40.1 C41.2 FB1.1 HDMI.18
HDMI_CLK_N: HDMI.12 R46.1 U1.W20 | length 40.9
  Top Layer w0.092: R46.1@58.19,40.6 58.42,40.83 58.7,40.83 v1(58.79,40.74) 58.934,40.74 59.234,40.44 HDMI.12@60.48,40.44
  Top Layer w0.15: U1.W20@35.52,19.38 v1(35.92,18.98)
  Int2 (Sign) w0.082: v1(35.92,18.98) 35.92,19.011 36.17,19.261 38.896,19.261 40.45,20.815 40.45,23.175 43.71,26.435 43.71,33.99 45.691,35.971 48.891,35.971 53.756,40.836 58.694,40.836 v1(58.79,40.74)